# Altium PCB controller.PcbDoc (part 1 of 2)
Units mm, origin at the board's own origin, x right, y up, seen from the top; angles counter-clockwise.
Board outline 164.59 x 131.95 mm, 2 copper layers (Top Layer, Bottom Layer); 200 components, 169 nets, 753 pads, 168 vias.
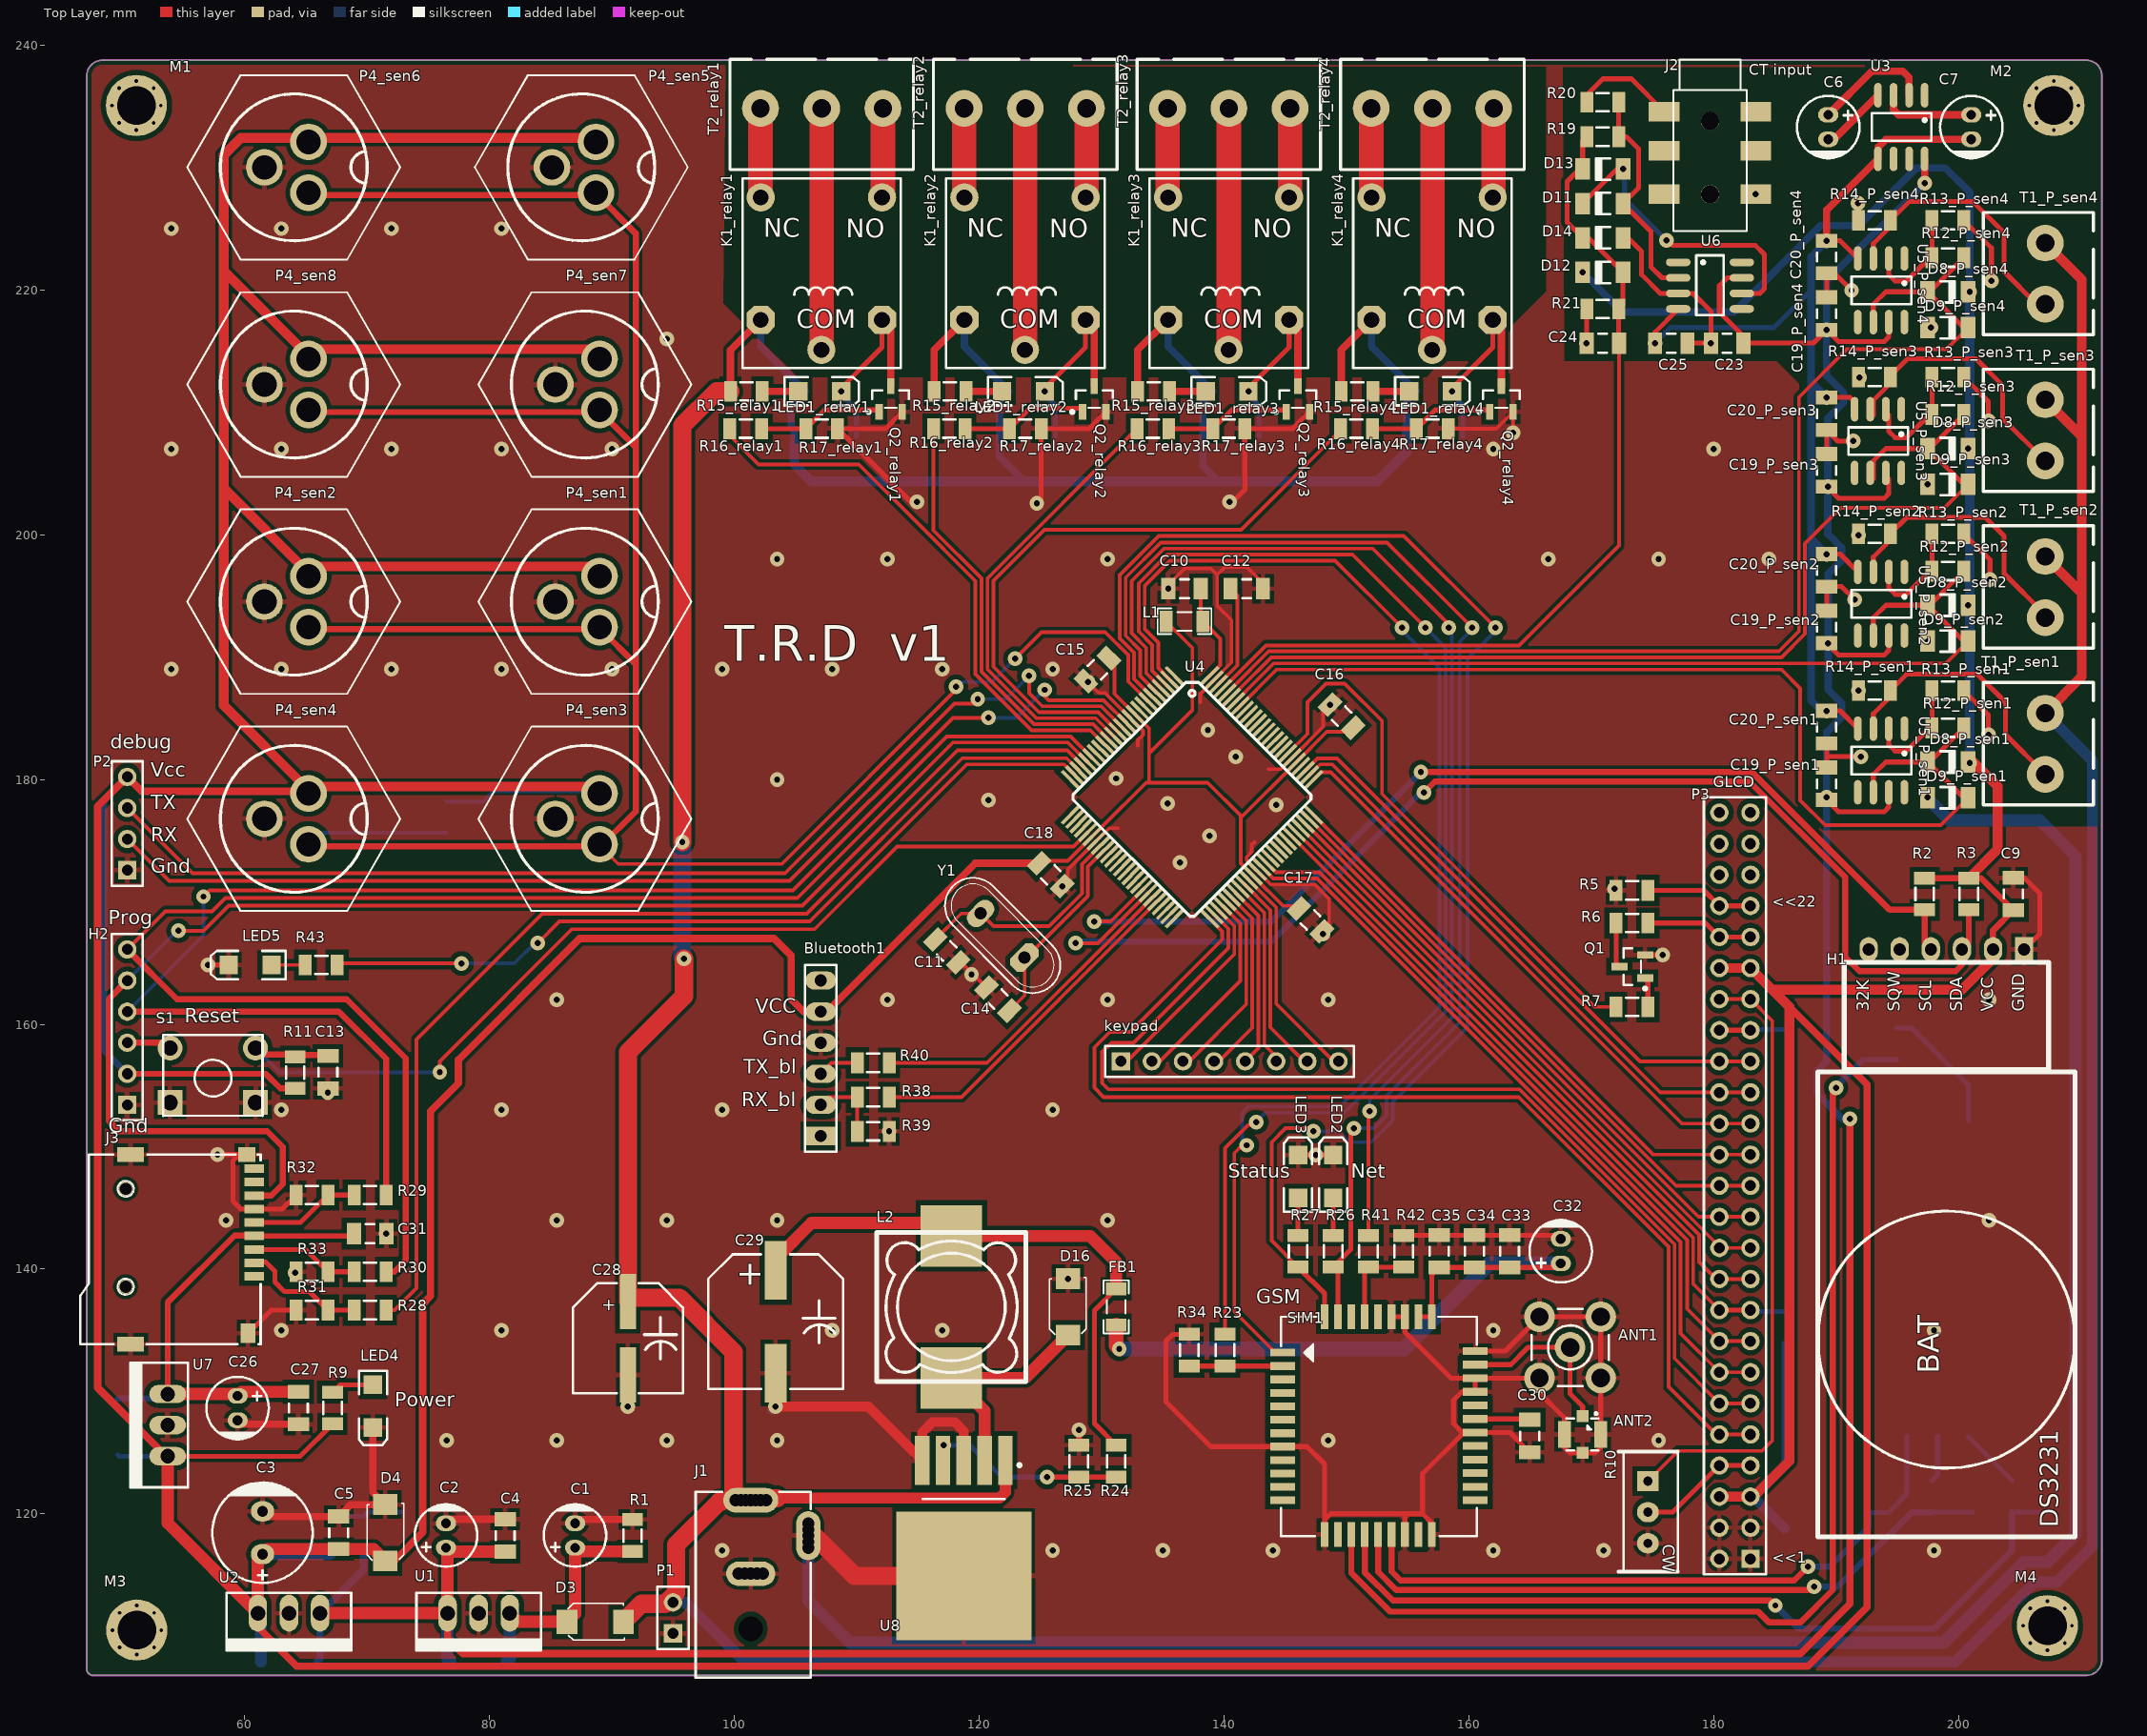
[diagram p0: Top Layer view]
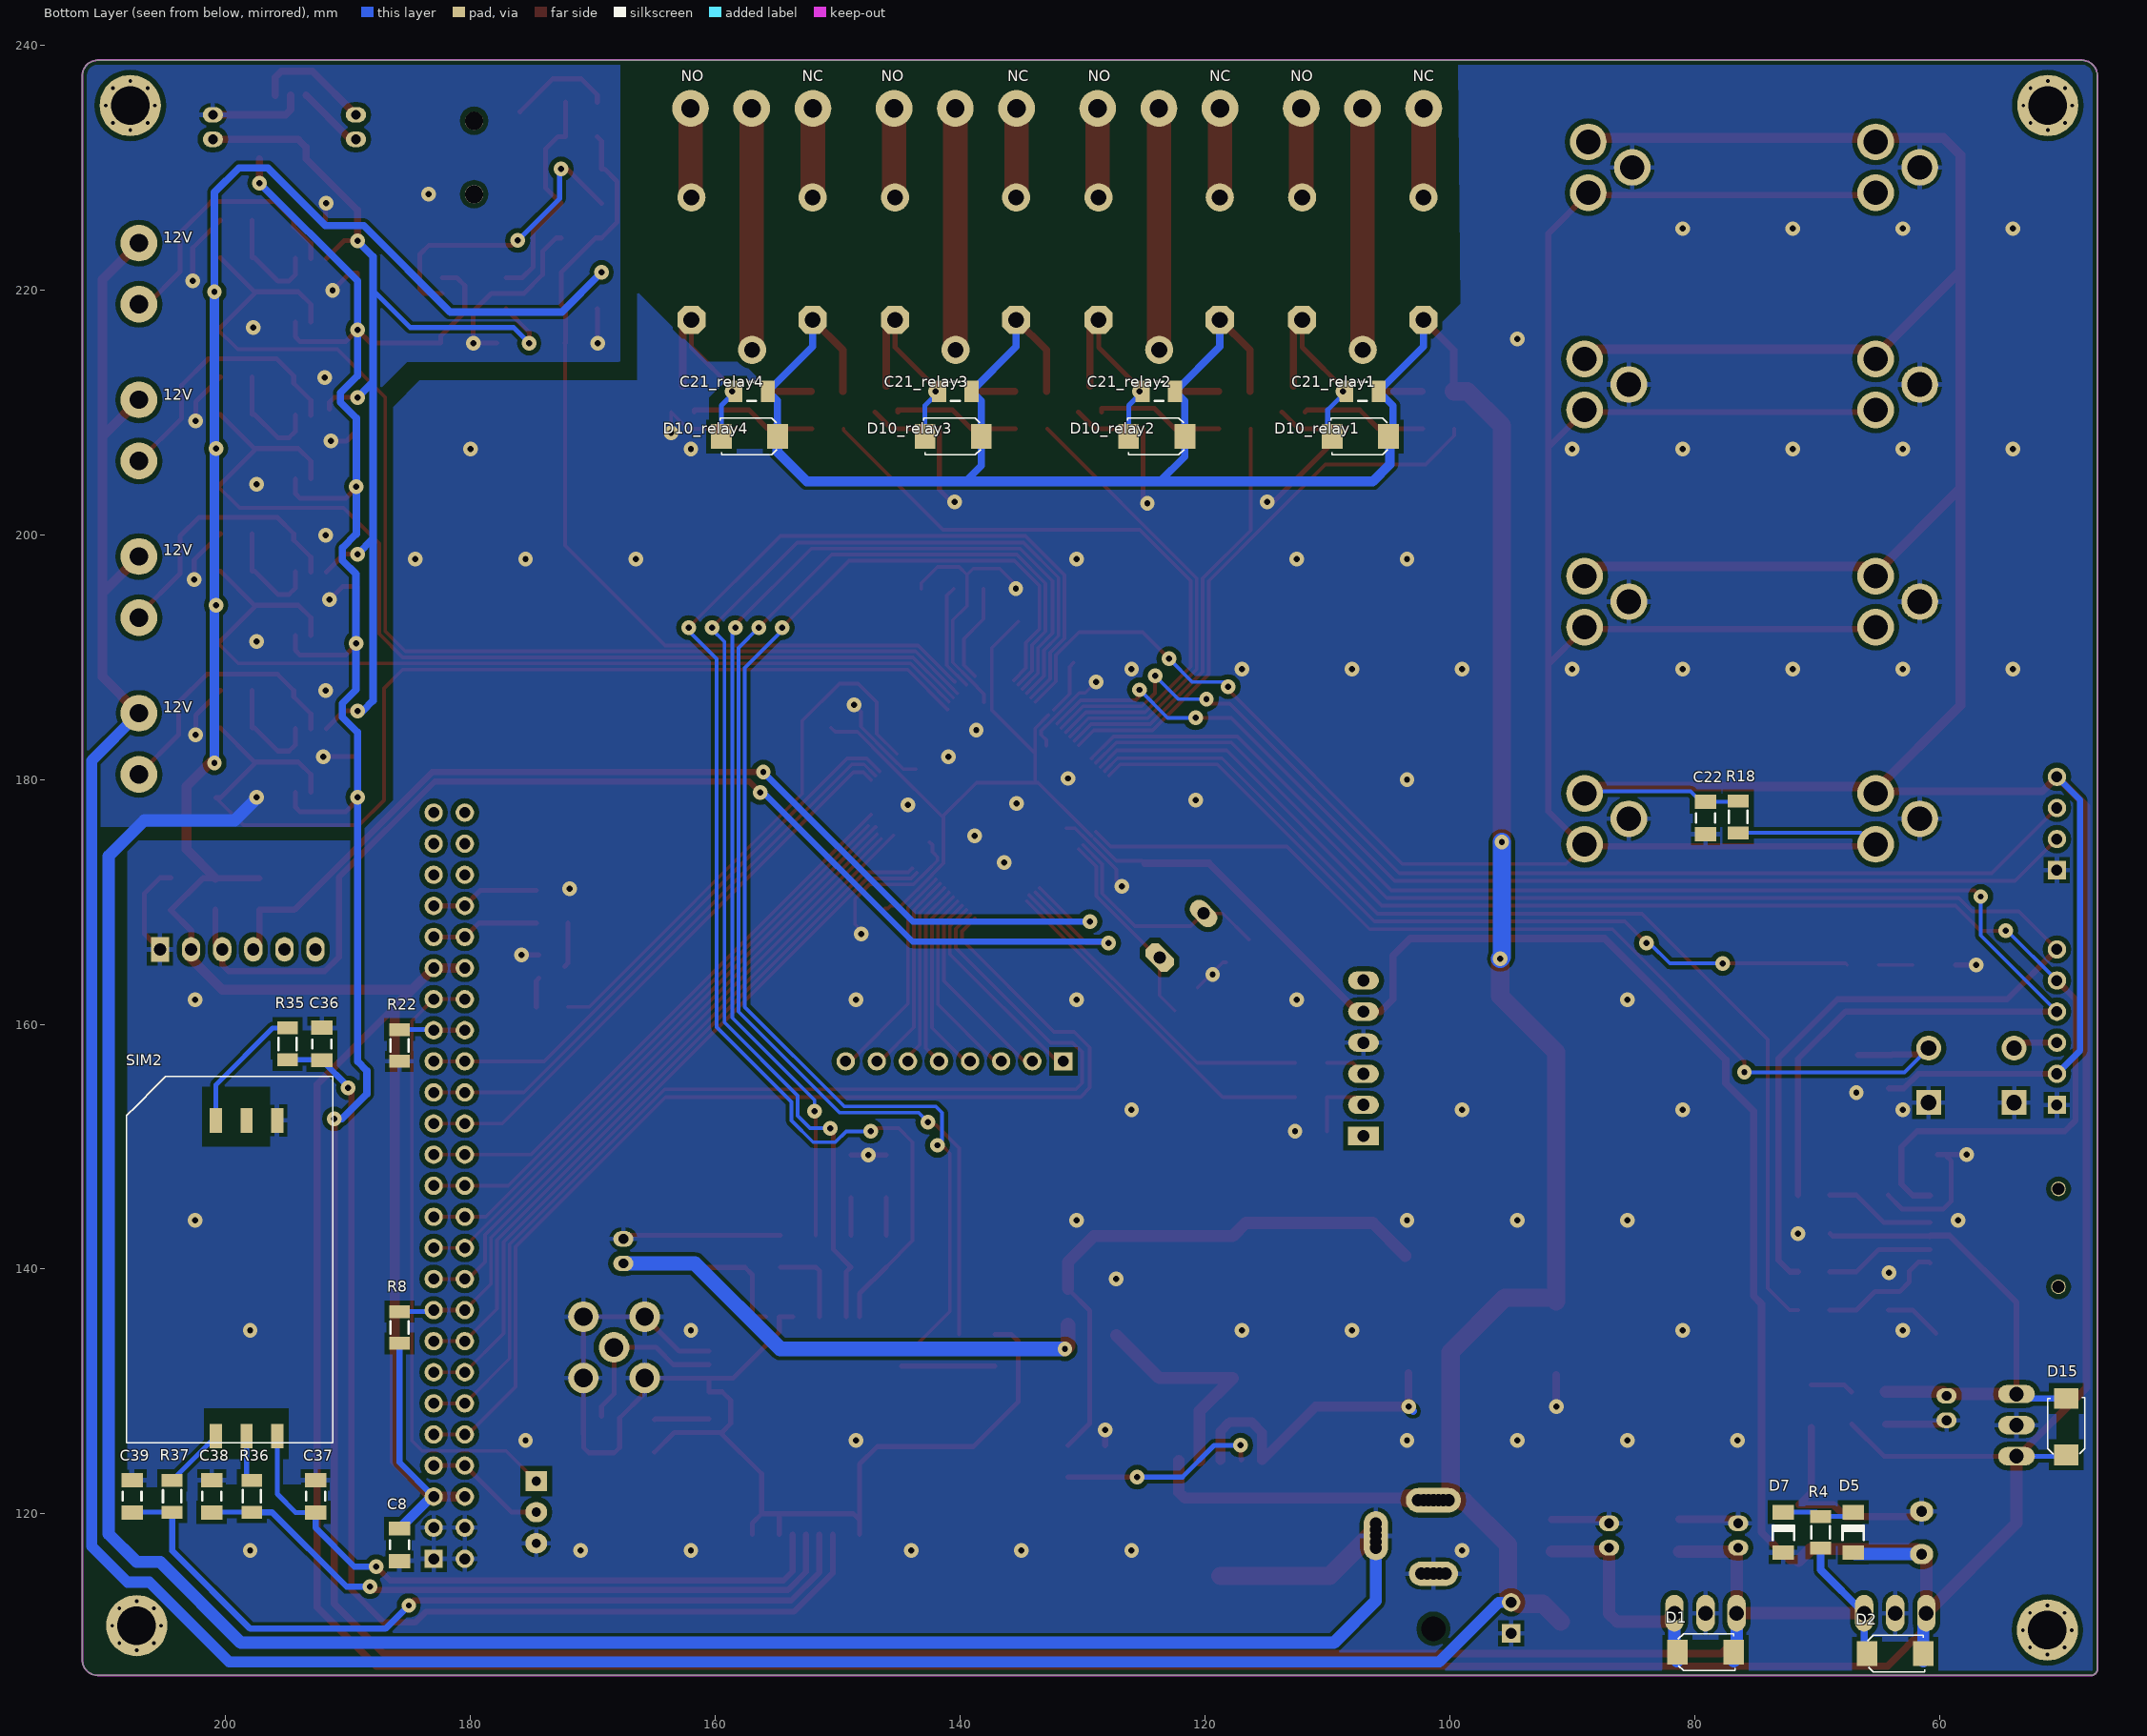
[diagram p1: Bottom Layer view, seen from below]
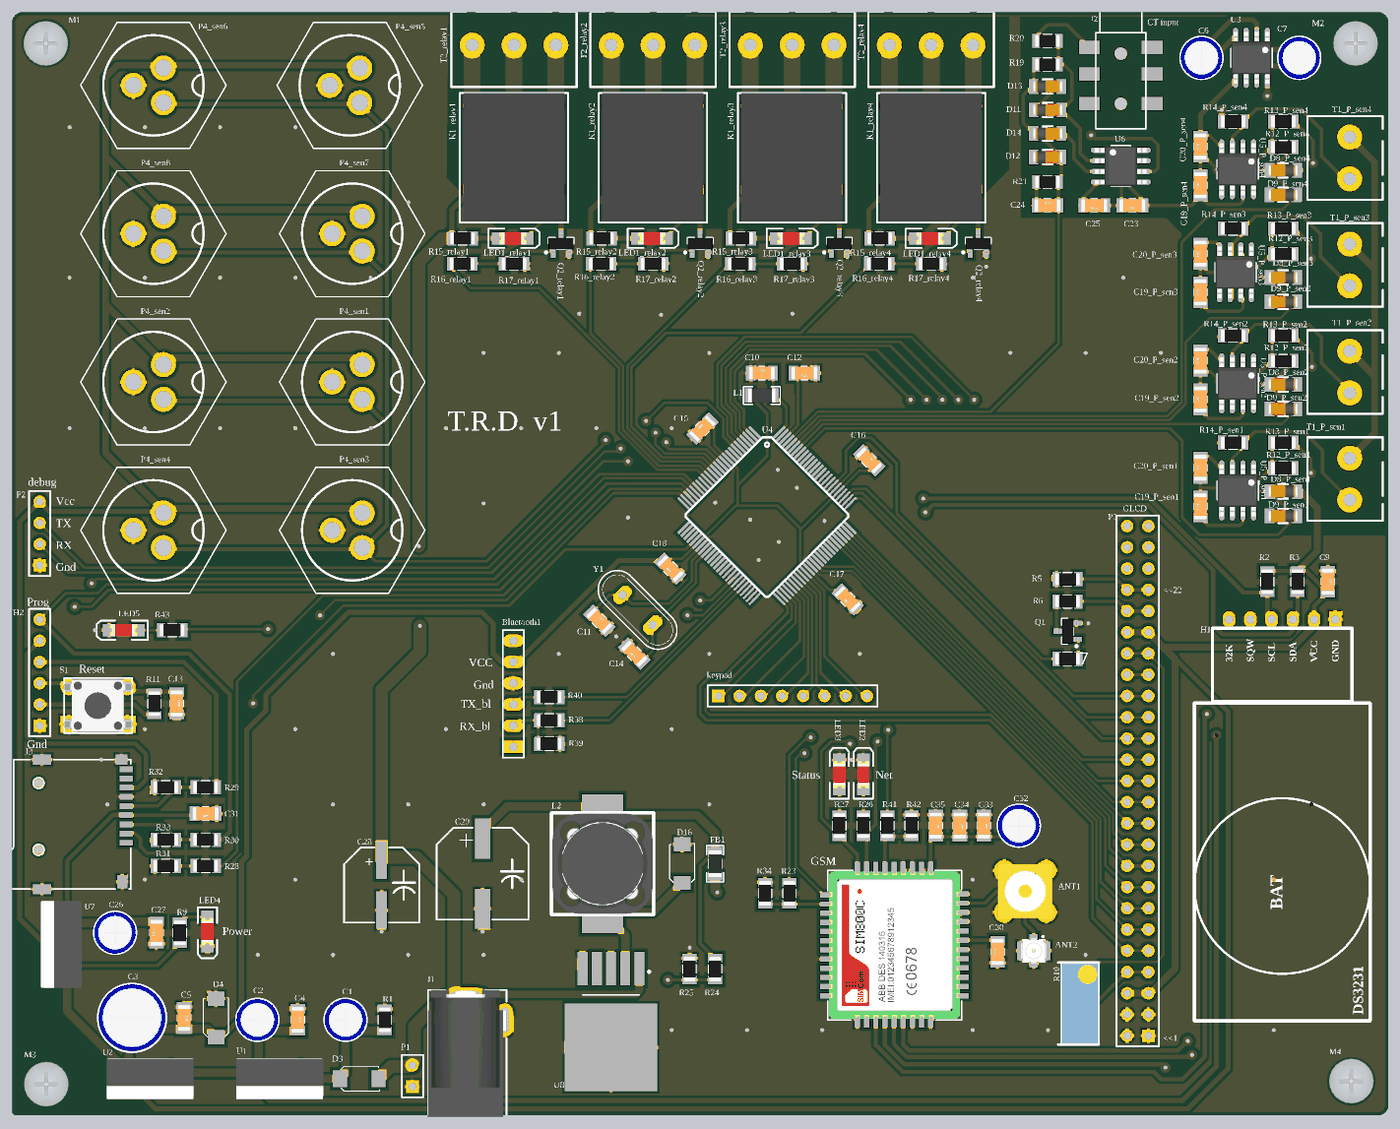
[diagram p3: 3D render of the assembled board from above, using the file's embedded part models]
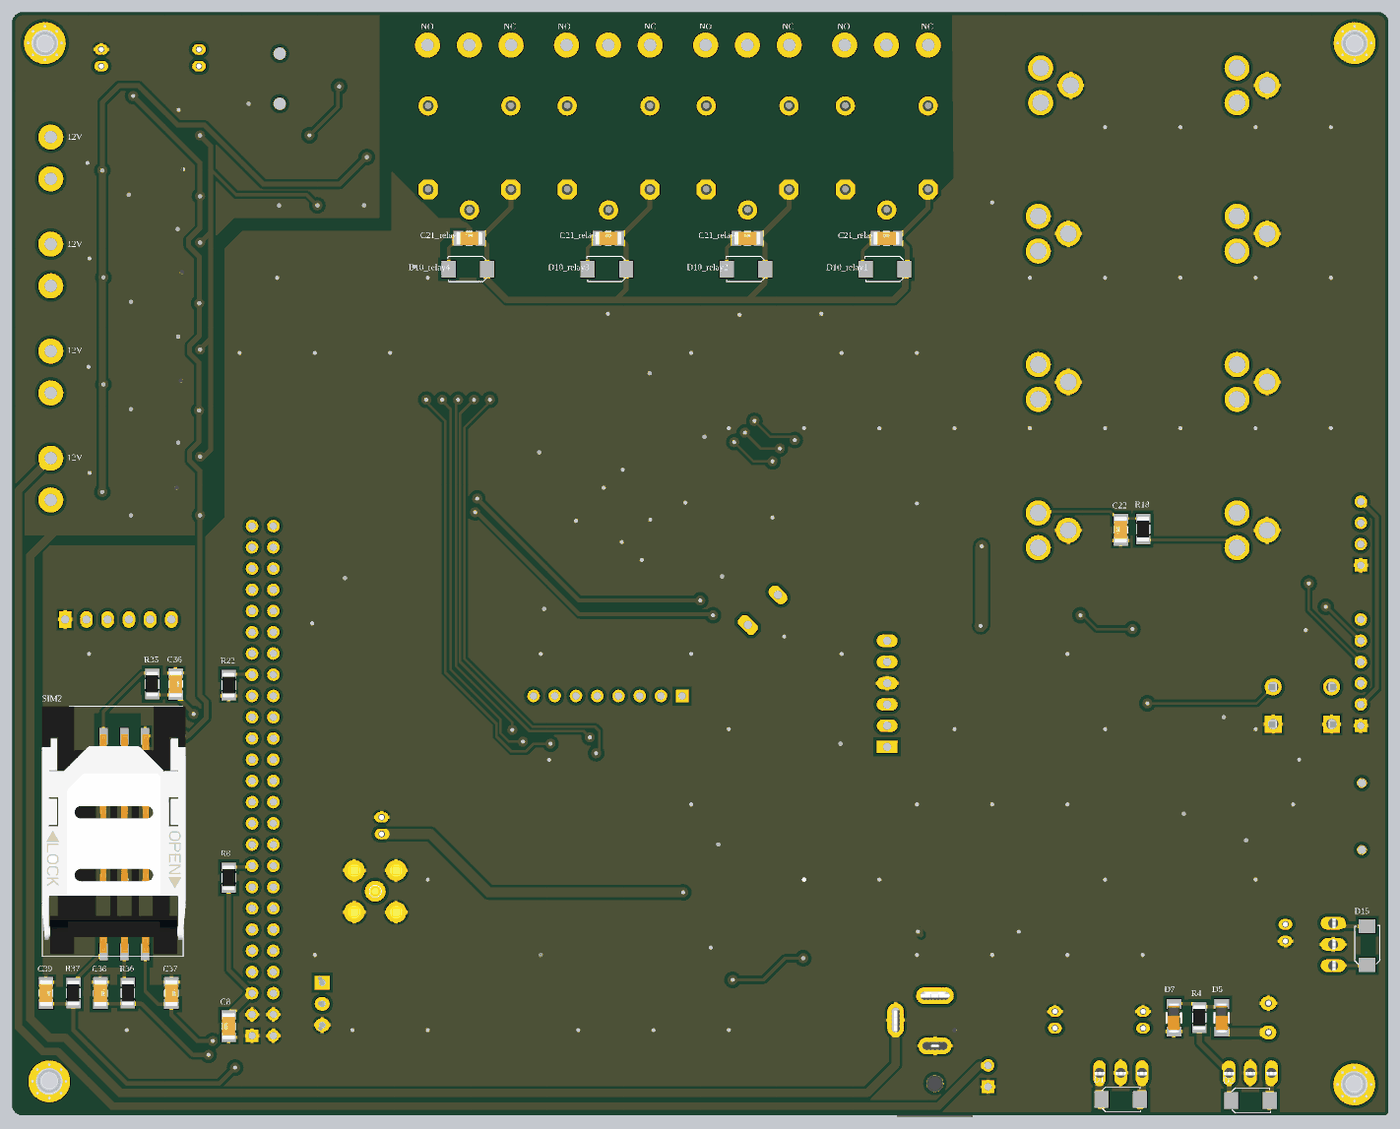
[diagram p4: 3D render of the assembled board from below, using the file's embedded part models]

## Layer stack, top to bottom
Top Solder: solder mask 0.0102, Solder Resist, Dk 3.5
Top Layer: signal copper 0.0356
Dielectric 1: dielectric 0.32, FR-4, Dk 4.8
Bottom Layer: signal copper 0.0356
Bottom Solder: solder mask 0.0102, Solder Resist, Dk 3.5

## Board outline
47.625,106.807 cw(c47.625,107.315) 47.117,107.315 47.117,237.49 cw(c48.387,237.49) 48.387,238.76 210.439,238.76 cw(c210.439,237.49) 211.709,237.49 211.709,108.077 cw(c210.439,108.077) 210.439,106.807

## Design rules (kind name [scope] priority, off if disabled: settings)
Clearance [All] p1: gap=0.3 ignorepadtopadclearanceinfootprint=TRUE except(0: Arc-Hole Track-Hole SMDPad-Hole THPad-Hole Via-Hole Fill-Hole Poly-Hole Region-Hole Text-Hole; 0.19: Arc-Arc Arc-Track Arc-SMDPad Track-Track Track-SMDPad; 0.4: SMDPad-Fill SMDPad-Poly SMDPad-Region THPad-Fill THPad-Poly THPad-Region Via-Fill Via-Poly Via-Region Fill-Fill Fill-Poly Fill-Region Poly-Poly Poly-Region Region-Region)
PolygonConnect [All] p1: thpad.connectstyle=Relief thpad.reliefconductorwidth=0.4 thpad.reliefentries=4 thpad.polygonreliefangle="90 Angle" thpad.airgapwidth=0.3 smdpad.connectstyle=Relief smdpad.reliefconductorwidth=0.4 smdpad.reliefentries=4 smdpad.polygonreliefangle="90 Angle" smdpad.airgapwidth=0.3 via.connectstyle=Direct via.reliefconductorwidth=0.254 via.reliefentries=4 via.polygonreliefangle="90 Angle" via.airgapwidth=0.254
RoomDefinition P_sen1 [InComponentClass('P_sen1')] p1: confinementstyle=ConfineIn formatcopy=TRUE lockcomponents=FALSE outline 188.087,188.468 188.087,177.165 211.272,177.165 211.272,188.468
RoomDefinition P_sen2 [InComponentClass('P_sen2')] p2: confinementstyle=ConfineIn formatcopy=TRUE lockcomponents=FALSE outline 188.087,201.271 188.087,189.968 211.272,189.968 211.272,201.271
RoomDefinition P_sen3 [InComponentClass('P_sen3')] p3: confinementstyle=ConfineIn formatcopy=TRUE lockcomponents=FALSE outline 188.087,214.074 188.087,202.771 211.272,202.771 211.272,214.074
RoomDefinition P_sen4 [InComponentClass('P_sen4')] p4: confinementstyle=ConfineIn formatcopy=TRUE lockcomponents=FALSE outline 188.087,226.877 188.087,215.574 211.272,215.574 211.272,226.877
RoomDefinition relay1 [InComponentClass('relay1')] p5: confinementstyle=ConfineIn formatcopy=TRUE lockcomponents=FALSE outline 98.679,205.74 114.808,205.74 114.808,239.014 98.679,239.014
RoomDefinition relay2 [InComponentClass('relay2')] p6: confinementstyle=ConfineIn formatcopy=TRUE lockcomponents=FALSE outline 115.308,205.74 131.437,205.74 131.437,239.014 115.308,239.014
RoomDefinition relay3 [InComponentClass('relay3')] p7: confinementstyle=ConfineIn formatcopy=TRUE lockcomponents=FALSE outline 131.937,205.74 148.066,205.74 148.066,239.014 131.937,239.014
RoomDefinition relay4 [InComponentClass('relay4')] p8: confinementstyle=ConfineIn formatcopy=TRUE lockcomponents=FALSE outline 148.566,205.74 164.695,205.74 164.695,239.014 148.566,239.014
RoomDefinition U_utility [InComponentClass('U_utility')] p9 off: confinementstyle=ConfineIn formatcopy=TRUE lockcomponents=FALSE outline 288.798,170.561 392.684,170.561 392.684,241.554 288.798,241.554
RoomDefinition U_sensors [InComponentClass('U_sensors')] p10 off: confinementstyle=ConfineIn formatcopy=TRUE lockcomponents=FALSE outline 185.164,213.995 185.164,238.887 167.767,238.887 167.767,213.995
RoomDefinition U_sd [InComponentClass('U_sd')] p11: confinementstyle=ConfineIn formatcopy=TRUE lockcomponents=FALSE outline 72.517,150.241 46.355,150.241 46.355,133.096 72.517,133.096
RoomDefinition U_power [InComponentClass('U_power')] p12 off: confinementstyle=ConfineIn formatcopy=TRUE lockcomponents=FALSE outline 289.814,148.59 480.314,148.59 480.314,167.132 289.814,167.132
RoomDefinition U_micro [InComponentClass('U_micro')] p13 off: confinementstyle=ConfineIn formatcopy=TRUE lockcomponents=FALSE outline 280.67,128.778 377.317,128.778 377.317,150.114 280.67,150.114
RoomDefinition U_GSM [InComponentClass('U_GSM')] p14 off: confinementstyle=ConfineIn formatcopy=TRUE lockcomponents=FALSE outline 289.814,89.662 523.494,89.662 523.494,124.841 289.814,124.841
RoomDefinition sen8 [InComponentClass('sen8')] p15 off: confinementstyle=ConfineIn formatcopy=TRUE lockcomponents=FALSE outline 403.479,266.7 414.528,266.7 414.528,277.622 403.479,277.622
RoomDefinition sen7 [InComponentClass('sen7')] p16 off: confinementstyle=ConfineIn formatcopy=TRUE lockcomponents=FALSE outline 403.479,254.508 414.528,254.508 414.528,265.43 403.479,265.43
RoomDefinition sen6 [InComponentClass('sen6')] p17 off: confinementstyle=ConfineIn formatcopy=TRUE lockcomponents=FALSE outline 403.479,242.316 414.528,242.316 414.528,253.238 403.479,253.238
RoomDefinition sen5 [InComponentClass('sen5')] p18 off: confinementstyle=ConfineIn formatcopy=TRUE lockcomponents=FALSE outline 403.479,230.124 414.528,230.124 414.528,241.046 403.479,241.046
RoomDefinition sen4 [InComponentClass('sen4')] p19 off: confinementstyle=ConfineIn formatcopy=TRUE lockcomponents=FALSE outline 403.479,217.932 414.528,217.932 414.528,228.854 403.479,228.854
RoomDefinition sen3 [InComponentClass('sen3')] p20 off: confinementstyle=ConfineIn formatcopy=TRUE lockcomponents=FALSE outline 403.479,205.74 414.528,205.74 414.528,216.662 403.479,216.662
RoomDefinition sen2 [InComponentClass('sen2')] p21 off: confinementstyle=ConfineIn formatcopy=TRUE lockcomponents=FALSE outline 403.479,193.548 414.528,193.548 414.528,204.47 403.479,204.47
RoomDefinition sen1 [InComponentClass('sen1')] p22 off: confinementstyle=ConfineIn formatcopy=TRUE lockcomponents=FALSE outline 403.479,181.356 414.02,181.356 414.02,192.278 403.479,192.278
RoutingVias [All] p1: holewidth=0.5 width=1.2 viastyle="Through Hole" minholewidth=0.4 minwidth=1 maxholewidth=1 maxwidth=2
SolderMaskExpansion [All] p1: expansion=0.102 istentingtop=FALSE
Width [All] p1: maxlimit=3 minlimit=0.254 preferedwidth=0.3
30 further rules are at their usual default settings.

## Classes and differential pairs
component class U_power: C1 C2 C3 C4 C5 C6 C7 C26 C27 D1 D2 D3 D4 D5 D6 D7 D15 J1 LED4 LED5 M1 M2 M3 M4 P1 P2 R1 R4 R9 R43 U1 U2 U3 U7
channel class relays: Re1 Re2 Re3 Re4
channel class presure_sensor: s1 s2 s3 s4
net class PL[0..7]: PL0 PL1 PL2 PL3 PL4 PL5 PL6 PL7
net class PK[0..7]: PK0 PK1 PK2 PK3 PK4 PK5 PK6 PK7
net class PJ[0..7]: PJ0 PJ1 PJ2 PJ3 PJ4 PJ5 PJ6 PJ7
net class PH[0..7]: PH0 PH1 PH2 PH3 PH4 PH5 PH6 PH7
net class PG[0..5]: PG0 PG1 PG2 PG3 PG4 PG5
net class PF[0..7]: PF0 PF1 PF2 PF3 PF4 PF5 PF6 PF7
net class PE[0..7]: PE0 PE1 PE2 PE3 PE4 PE5 PE6 PE7
net class PD[0..7]: PD0 PD1 PD2 PD3 PD4 PD5 PD6 PD7
net class PB[0..7]: PB0 PB1 PB2 PB3 PB4 PB5 PB6 PB7
net class Key[1..8]: Key1 Key2 Key3 Key4 Key5 Key6 Key7 Key8
net class DB[0..8]: DB1 DB2 DB3 DB4 DB5 DB6 DB7 DB8
component class U_utility: Bluetooth1 C8 C9 H1 H2 keypad P3 Q1 R2 R3 R5 R6 R7 R8 R10 R22 R38 R39 R40
component class U_micro: C10 C11 C12 C13 C14 C15 C16 C17 C18 L1 R11 S1 U4 Y1
component class Re4: C21_Re4 D10_Re4 K1_Re4 LED1_Re4 Q2_Re4 R15_Re4 R16_Re4 R17_Re4 T2_Re4
component class Re3: C21_Re3 D10_Re3 K1_Re3 LED1_Re3 Q2_Re3 R15_Re3 R16_Re3 R17_Re3 T2_Re3
component class Re2: C21_Re2 D10_Re2 K1_Re2 LED1_Re2 Q2_Re2 R15_Re2 R16_Re2 R17_Re2 T2_Re2
component class Re1: C21_Re1 D10_Re1 K1_Re1 LED1_Re1 Q2_Re1 R15_Re1 R16_Re1 R17_Re1 T2_Re1
component class s4: C19_s4 C20_s4 D8_s4 D9_s4 R12_s4 R13_s4 R14_s4 T1_s4 U5_s4
component class s3: C19_s3 C20_s3 D8_s3 D9_s3 R12_s3 R13_s3 R14_s3 T1_s3 U5_s3
component class s2: C19_s2 C20_s2 D8_s2 D9_s2 R12_s2 R13_s2 R14_s2 T1_s2 U5_s2
component class s1: C19_s1 C20_s1 D8_s1 D9_s1 R12_s1 R13_s1 R14_s1 T1_s1 U5_s1
component class sen1: P4_sen1
component class sen2: P4_sen2
component class sen3: P4_sen3
component class sen4: P4_sen4
component class sen5: P4_sen5
component class sen6: P4_sen6
component class sen7: P4_sen7
component class sen8: P4_sen8
component class U_sensors: C22 C23 C24 C25 D11 D12 D13 D14 J2 R18 R19 R20 R21 U6
channel class "temparature sensor": sen1 sen2 sen3 sen4 sen5 sen6 sen7 sen8
component class U_GSM: ANT1 ANT2 C28 C29 C30 C32 C33 C34 C35 C36 C37 C38 C39 D16 FB1 L2 LED2 LED3 R23 R24 R25 R26 R27 R34 R35 R36 R37 R41 R42 SIM1 SIM2 U8
component class U_sd: C31 J3 R28 R29 R30 R31 R32 R33
